# KiCad board LibrePLC32.kicad_pcb (continued)
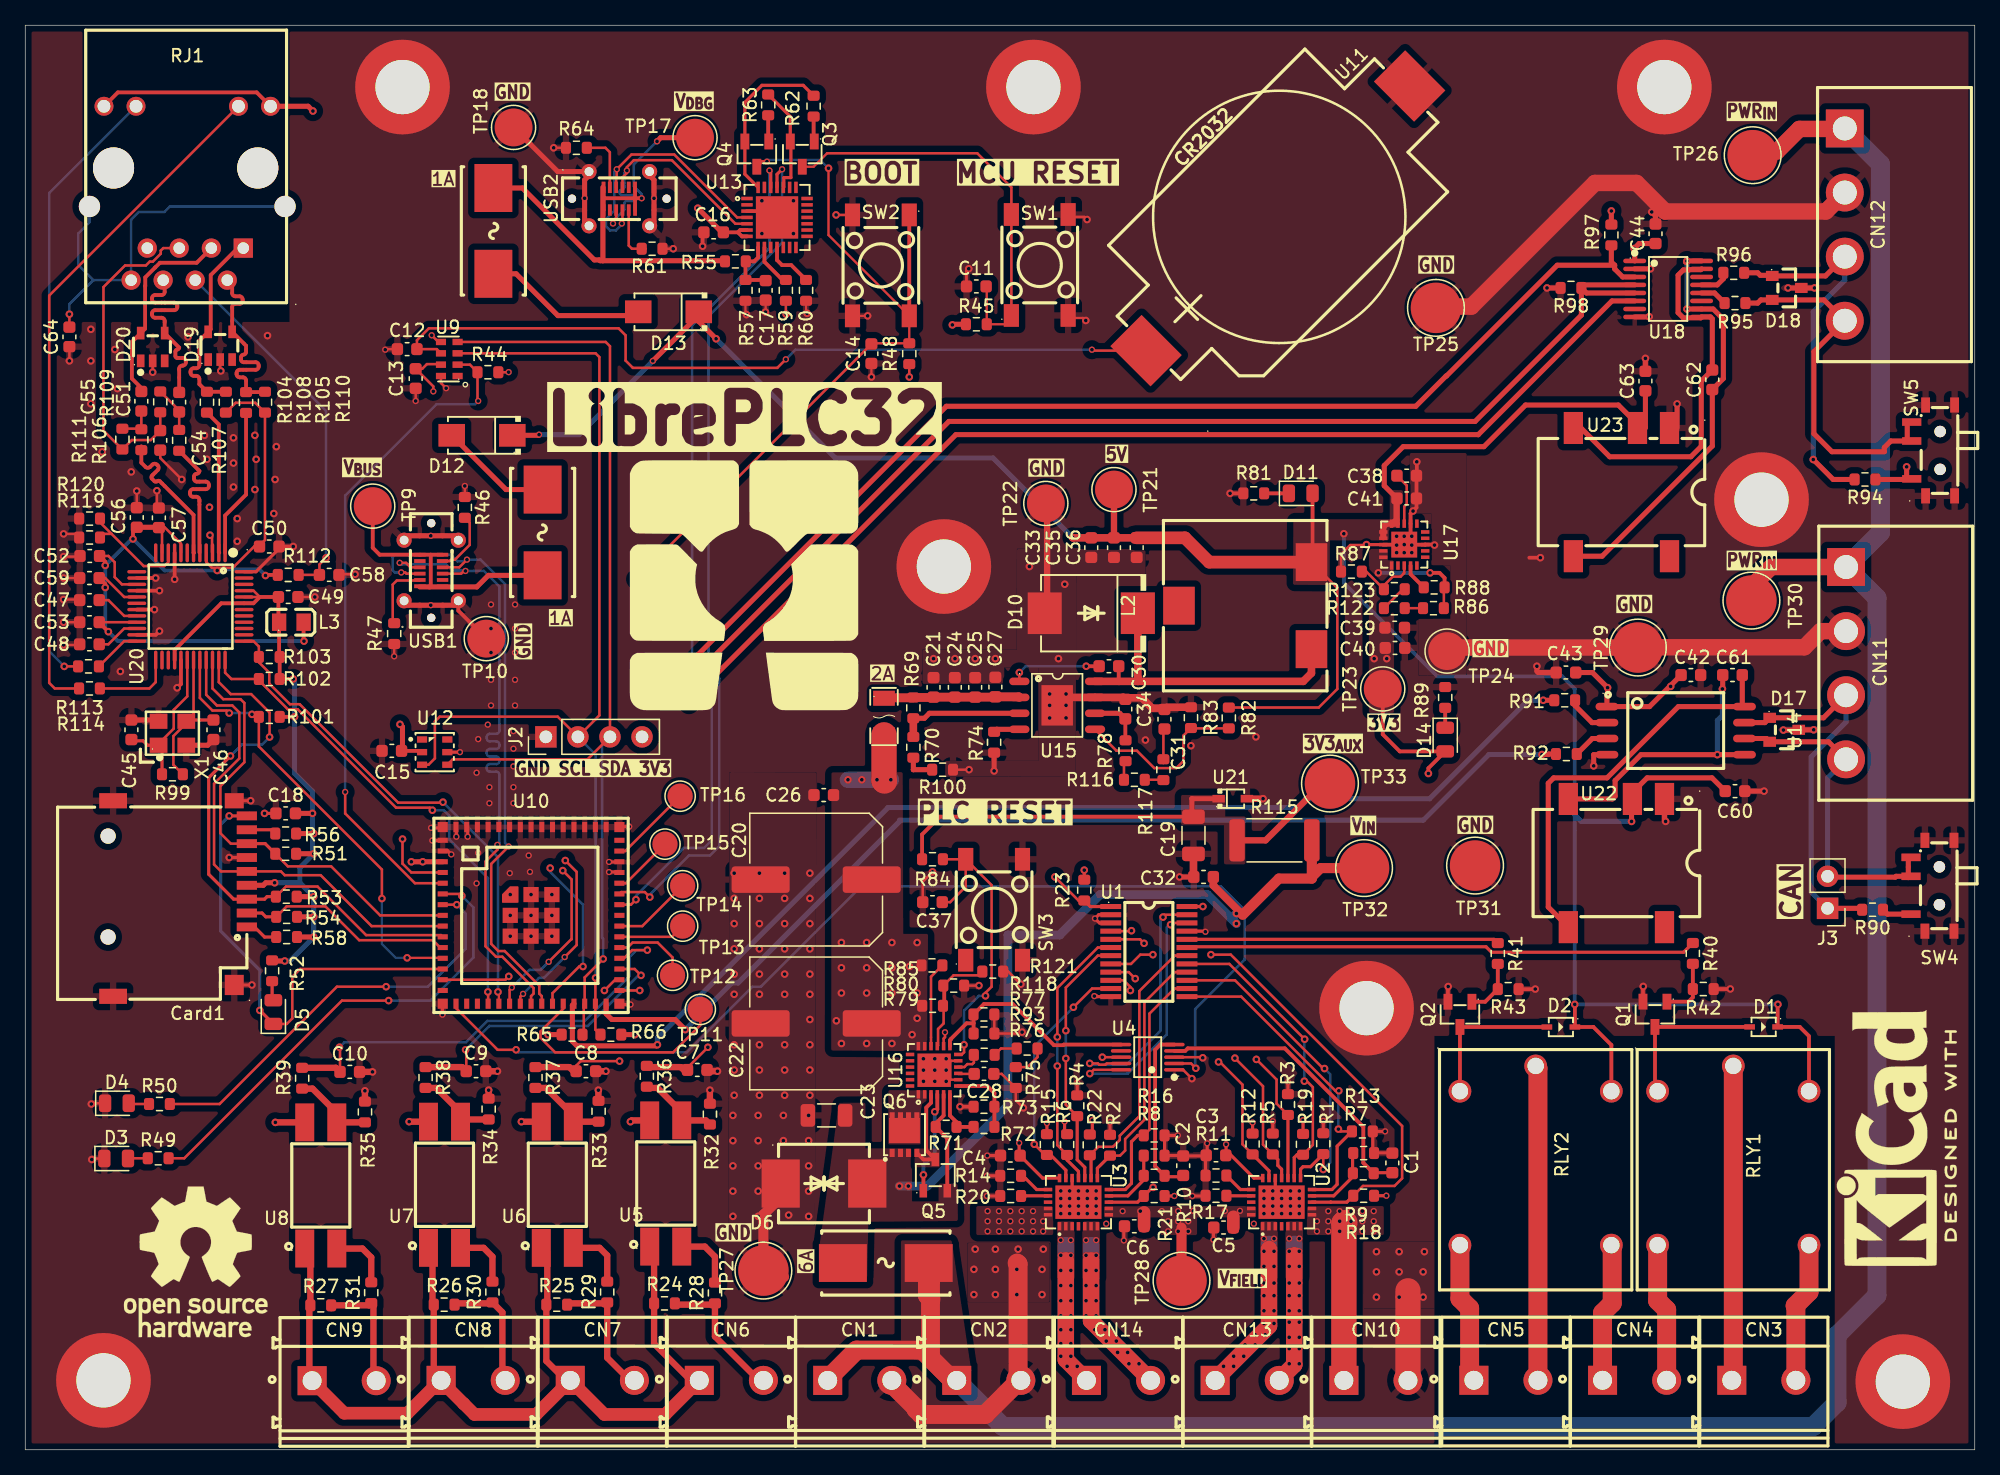
[diagram p0: board, top side]
## Library data of the parts (continued)
U12 = -: Datasheet: https://www.lcsc.com/datasheet/C2757850.pdf; LCSC Part: C2757850; Manufacturer: 广州奥松
U13 = -: Datasheet: https://www.lcsc.com/datasheet/C964632.pdf; LCSC Part: C964632; Manufacturer: SKYWORKS/SILICON LABS(芯科)
U14 = -: Datasheet: https://www.lcsc.com/datasheet/C484409.pdf; LCSC Part: C484409; Manufacturer: TI(德州仪器)
U15 = -: Datasheet: https://www.lcsc.com/datasheet/C1850354.pdf; LCSC Part: C1850354; Manufacturer: TI(德州仪器)
U16 = -: Datasheet: https://www.lcsc.com/datasheet/C52940996.pdf; LCSC Part: C52940996; Manufacturer: Tokmas(托克马斯); MPN: TPS26630RGER(TOKMAS)
U17 = -: Datasheet: https://lcsc.com/product-detail/Low-Dropout-Regulators-LDO_Texas-Instruments-Texas-Instruments-TPS7A5201QRGRRQ1_C523802.html; LCSC Part: C523802; Manufacturer: TI(德州仪器)
U18 = -: Datasheet: https://www.lcsc.com/datasheet/C2671333.pdf; LCSC Part: C2671333; Manufacturer: TI(德州仪器)
U20 = -: Datasheet: https://lcsc.com/product-detail/Ethernet-ICs_WIZNET_W5500_W5500_C32843.html; LCSC Part: C32843; Manufacturer: WIZNET
U21 = -: Datasheet: https://www.lcsc.com/datasheet/C5270765.pdf; LCSC Part: C5270765; Manufacturer: YFW(佑风微)
U22 U23 = -: Datasheet: https://www.lcsc.com/datasheet/C5369529.pdf; LCSC Part: C5369529; Manufacturer: YLPTEC(易川)
USB1 USB2 = -: Datasheet: https://www.lcsc.com/datasheet/C7450621.pdf; LCSC Part: C7450621; Manufacturer: G-Switch(品赞)
X1 = -: Datasheet: https://lcsc.com/product-detail/SMD-Crystals_YSX321SL-25MHZ-18PF-10PPM-40-85_C70593.html; Description: YSX321SL 25MHZ 18PF 10PPM -40~+85; LCSC Part: C70593; Manufacturer: YXC(扬兴晶振)

## Footprints (pads in the part's own frame, mm; a bottom-side part is the same pattern mirrored in y, then rotated)
BAT-SMD_BS-06-B4AA012
  rect 3.5x4.5 smd: 1(-14.8,-0.03) 2(14.8,0.03)
BULETM-SMD_ESPRESSIF_ESP32-S3-MINI-1U-N8
  rect 0.8x0.4 smd: 1(-7,5.95) 2(-7,5.1) 3(-7,4.25) 4(-7,3.4) 5(-7,2.55) 6(-7,1.7) 7(-7,0.85) 8(-7,0) 9(-7,-0.85) 10(-7,-1.7) 11(-7,-2.55) 12(-7,-3.4) 13(-7,-4.25) 14(-7,-5.1) 15(-7,-5.95) 31(7,-5.95) 32(7,-5.1) 33(7,-4.25) 34(7,-3.4) 35(7,-2.55) 36(7,-1.7) 37(7,-0.85) 38(7,0) 39(7,0.85) 40(7,1.7) 41(7,2.55) 42(7,3.4) 43(7,4.25) 44(7,5.1) 45(7,5.95)
  rect 0.4x0.8 smd: 16(-5.95,-7) 17(-5.1,-7) 18(-4.25,-7) 19(-3.4,-7) 20(-2.55,-7) 21(-1.7,-7) 22(-0.85,-7) 23(0,-7) 24(0.85,-7) 25(1.7,-7) 26(2.55,-7) 27(3.4,-7) 28(4.25,-7) 29(5.1,-7) 30(5.95,-7) 46(5.95,7) 47(5.1,7) 48(4.25,7) 49(3.4,7) 50(2.55,7) 51(1.7,7) 52(0.85,7) 53(0,7) 54(-0.85,7) 55(-1.7,7) 56(-2.55,7) 57(-3.4,7) 58(-4.25,7) 59(-5.1,7) 60(-5.95,7)
  custom 1.3x1.3 smd: 61(-1.65,1.65)
  rect 1.2x1.2 smd: 61(-1.65,0) 61(-1.65,-1.65) 61(0,1.65) 61(0,0) 61(0,-1.65) 61(1.65,1.65) 61(1.65,0) 61(1.65,-1.65)
  rect 0.8x0.8 smd: 62(-7,7) 63(-7,-7) 64(7,-7) 65(7,7)
C_0603_1608Metric
  rrect 0.9x0.95 smd: 1(-0.775,0) 2(0.775,0)
C_1206_3216Metric
  rrect 1.15x1.8 smd: 1(-1.475,0) 2(1.475,0)
C_Elec_10x10.2
  rrect 4.6x2.1 smd: 1(-4.4,0) 2(4.4,0)
CONN-TH_2P-P5.08_DIBO_DB128V-5.08
  rect 2.3x2.3 hole 1.5: 1(-2.54,0)
  round 2.3 hole 1.5: 2(2.54,0)
CONN-TH_4P-P5.08_DB2ERC-5.08-4P
  rect 3x3 hole 1.9: 1(7.62,0)
  round 3 hole 1.9: 2(2.54,0) 3(-2.54,0) 4(-7.62,0)
DFN-8_L3.3-W3.3-P0.65-BL-3
  rect 0.4x0.65 smd: 1(-0.98,-1.46) 2(-0.32,-1.46) 3(0.32,-1.46) 4(0.98,-1.46)
  rect 0.4x0.6 smd: 5(0.98,1.46) 6(0.32,1.46) 7(-0.32,1.46) 8(-0.98,1.46)
  rect 2.45x2 smd: 9(0,0.31)
F1206
  rect 1.19x1.728 smd: 1(-1.45,0) 2(1.45,0)
FUSE-SMD_L9.8-W5.0_01550900M
  rect 3.8x3 smd: 1(-3.4,0) 2(3.4,0)
IND-SMD_3P-L13.5-W13.0-P6.9
  rect 3x2.5 smd: 1(-3.45,-5.25) 2(3.45,-5.25) 3(0,5.25)
L0805
  rect 1.133x1.377 smd: 1(-0.97,0) 2(0.97,0)
LED_0805_2012Metric
  rrect 0.975x1.4 smd: 1(-0.938,0) 2(0.938,0)
LQFP-48_L7.0-W7.0-P0.50-LS9.0-BL
  oval 0.27x1.5 smd: 1(-2.75,-4.25) 2(-2.25,-4.25) 3(-1.75,-4.25) 4(-1.25,-4.25) 5(-0.75,-4.25) 6(-0.25,-4.25) 7(0.25,-4.25) 8(0.75,-4.25) 9(1.25,-4.25) 10(1.75,-4.25) 11(2.25,-4.25) 12(2.75,-4.25) 25(2.75,4.25) 26(2.25,4.25) 27(1.75,4.25) 28(1.25,4.25) 29(0.75,4.25) 30(0.25,4.25) 31(-0.25,4.25) 32(-0.75,4.25) 33(-1.25,4.25) 34(-1.75,4.25) 35(-2.25,4.25) 36(-2.75,4.25)
  oval 1.5x0.27 smd: 13(4.25,-2.75) 14(4.25,-2.25) 15(4.25,-1.75) 16(4.25,-1.25) 17(4.25,-0.75) 18(4.25,-0.25) 19(4.25,0.25) 20(4.25,0.75) 21(4.25,1.25) 22(4.25,1.75) 23(4.25,2.25) 24(4.25,2.75) 37(-4.25,2.75) 38(-4.25,2.25) 39(-4.25,1.75) 40(-4.25,1.25) 41(-4.25,0.75) 42(-4.25,0.25) 43(-4.25,-0.25) 44(-4.25,-0.75) 45(-4.25,-1.25) 46(-4.25,-1.75) 47(-4.25,-2.25) 48(-4.25,-2.75)
MountingHole_4.3mm_M4_DIN965_Pad_TopBottom
  round 4.7 hole 4.3: 1(0,0)
  round 7.5 smd: 1(0,0)
  round 7.5 smd far side: 1(0,0)
MSOP-10_L3.0-W3.0-P0.50-LS5.0-BL
  oval 0.28x1.62 smd: 1(-1,-2.11) 2(-0.5,-2.11) 3(0,-2.11) 4(0.5,-2.11) 5(1,-2.11) 6(1,2.11) 7(0.5,2.11) 8(0,2.11) 9(-0.5,2.11) 10(-1,2.11)
OPTO-SMD-4_L4.6-W6.5-P2.54-LS10.3-BL
  rect 1.5x3 smd: 1(-1.27,-5) 2(1.27,-5) 3(1.27,5) 4(-1.27,5)
OSC-SMD_4P-L3.2-W2.5-BL_SIT8008BI
  rect 1.4x1.2 smd: 1(-1.1,-0.95) 2(1.1,-0.95) 3(1.1,0.95) 4(-1.1,0.95)
OSC-SMD_8P-L3.2-W1.5-P0.90-BL
  rect 0.504x0.8 smd: 1(-1.35,-0.66) 2(-0.45,-0.66) 3(0.45,-0.66) 4(1.35,-0.66) 5(1.35,0.66) 6(0.45,0.66) 7(-0.45,0.66) 8(-1.35,0.66)
PinHeader_1x02_P2.54mm_Vertical
  rect 1.7x1.7 hole 1: 1(0,0)
  round 1.7 hole 1: 2(0,-2.54)
PinHeader_1x04_P2.54mm_Vertical
  rect 1.7x1.7 hole 1: 1(0,0)
  round 1.7 hole 1: 2(0,-2.54) 3(0,-5.08) 4(0,-7.62)
POWERPAD-SO-8_L4.9-W3.9-P1.27-LS6.0-BL-EP
  oval 0.6x1.6 smd: 1(-1.9,-3) 2(-0.63,-3) 3(0.63,-3) 4(1.9,-3) 5(1.9,3) 6(0.63,3) 7(-0.63,3) 8(-1.9,3)
  rect 3.2x2.5 smd: 9(0,0)
PWRM-SMD_BXXXXXT-1WR3
  rect 1.524x2.54 smd: 1(-3.81,-5.08) 2(-1.27,-5.08) 4(3.81,-5.08) 5(3.81,5.08) 8(-3.81,5.08)
QFN-28_L5.0-W5.0-P0.50-TL-EP3.3
  rect 0.905x0.28 smd: 1(-2.38,1.5) 2(-2.38,1) 3(-2.38,0.5) 4(-2.38,0) 5(-2.38,-0.5) 6(-2.38,-1) 7(-2.38,-1.5) 15(2.38,-1.5) 16(2.38,-1) 17(2.38,-0.5) 18(2.38,0) 19(2.38,0.5) 20(2.38,1) 21(2.38,1.5)
  rect 0.28x0.905 smd: 8(-1.5,-2.38) 9(-1,-2.38) 10(-0.5,-2.38) 11(0,-2.38) 12(0.5,-2.38) 13(1,-2.38) 14(1.5,-2.38) 22(1.5,2.38) 23(1,2.38) 24(0.5,2.38) 25(0,2.38) 26(-0.5,2.38) 27(-1,2.38) 28(-1.5,2.38)
  rect 3.35x3.35 smd: 29(0,0)
R_0603_1608Metric
  rrect 0.8x0.95 smd: 1(-0.825,0) 2(0.825,0)
R_2512_6332Metric
  rrect 1.225x3.35 smd: 1(-2.962,0) 2(2.962,0)
RELAY-TH_HF3FF-018-1ZT
  round 1.8 hole 1.3: 1(-5.1,-6) 2(7.1,-6) 3(7.1,6) 4(-5.1,6) 5(-7.1,0)
RJ45-TH_HR913129A
  round 3.25 hole 3.25: (-5.84,2) (5.59,2)
  rect 1.524x1.524 hole 0.914: 1(4.44,-4.35)
  round 1.524 hole 0.914: 2(3.17,-6.89) 3(1.91,-4.35) 4(0.63,-6.89) 5(-0.64,-4.35) 6(-1.91,-6.89) 7(-3.17,-4.35) 8(-4.45,-6.89)
  round 1.499 hole 1.016: 9(6.6,6.89) 10(4.06,6.89) 11(-4.06,6.89) 12(-6.6,6.89)
  round 1.702 hole 1.676: 13(7.75,-1.05) 14(-7.75,-1.05)
SENSOR-SMD_L3.0-W3.0-P1.00-BR
  rect 0.8x0.5 smd: 1(1,-1) 2(1,0) 3(1,1) 4(-1,1) 5(-1,0) 6(-1,-1)
SMA_L4.3-W2.7-LS5.1-RD
  rect 2.1x1.8 smd: 1(-2.4,0) 2(2.4,0)
SMC_L6.9-W5.9-LS7.9-BI
  rect 3.03x3.82 smd: 1(-3.43,0) 2(3.43,0)
SMC_L6.9-W5.9-LS7.9-RD
  rect 2.7x3.3 smd: 1(-3.69,0) 2(3.69,0)
SOD-323_L1.7-W1.3-LS2.5-RD-1
  rect 0.985x0.6 smd: 1(-1.12,0) 2(1.12,0)
SOD-323_L1.8-W1.3-LS2.7-RD
  rect 0.845x0.42 smd: 1(-1.11,0) 2(1.11,0)
SOIC-8_L5.9-W7.5-P1.27-LS11.5-BL
  oval 0.6x1.8 smd: 1(-1.9,-5.45) 2(-0.63,-5.45) 3(0.63,-5.45) 4(1.91,-5.45) 5(1.91,5.45) 6(0.63,5.45) 7(-0.63,5.45) 8(-1.9,5.45)
SOT-23-3_L2.9-W1.3-P1.90-LS2.4-BR
  rect 1.25x0.7 smd: 1(1,-0.95) 2(1,0.95) 3(-1,0)
SOT-23-3_L2.9-W1.6-P1.90-LS2.8-BR
  rect 1.07x0.6 smd: 1(1.24,-0.95) 2(1.24,0.95) 3(-1.24,0)
SOT-23-5_L2.9-W1.6-P0.95-LS2.8-BR
  rect 1x0.6 smd: 1(1.1,-0.95) 2(1.1,0) 3(1.1,0.95) 4(-1.1,0.95) 5(-1.1,-0.95)
SOT-23_L2.9-W1.3-P1.90-LS2.4-BR
  rect 1x0.8 smd: 1(1.15,-0.95) 2(1.15,0.95) 3(-1.15,0)
SSOP-16_L4.9-W3.9-P0.64-LS6.0-BL
  oval 0.356x1.815 smd: 1(-2.22,-2.65) 2(-1.59,-2.65) 3(-0.95,-2.65) 4(-0.32,-2.65) 5(0.32,-2.65) 6(0.95,-2.65) 7(1.59,-2.65) 8(2.22,-2.65) 9(2.22,2.65) 10(1.59,2.65) 11(0.95,2.65) 12(0.32,2.65) 13(-0.32,2.65) 14(-0.95,2.65) 15(-1.59,2.65) 16(-2.22,2.65)
SW-SMD_4P-L6.0-W6.0-P4.50-LS8.6
  rect 1.8x1.2 smd: 1(-4,2.25) 2(4,2.25) 3(-4,-2.25) 4(4,-2.25)
SW-TH_MSK12C02
  round 0.9 hole 0.9: (-1.5,-0.55) (1.5,-0.55)
  rect 0.6x1.524 smd: 1(-2.25,1.7) 2(0.75,1.7) 3(2.25,1.7)
  rect 1.2x0.7 smd: 4(-3.6,0.6) 4(-3.6,-1.7) 4(3.6,0.6) 4(3.6,-1.7)
TestPoint_Pad_D2.0mm
  round 2 smd: 1(0,0)
TestPoint_Pad_D3.0mm
  round 3 smd: 1(0,0)
TestPoint_Pad_D4.0mm
  round 4 smd: 1(0,0)
TF-SMD_TF-PUSH
  round 1.2 hole 1.2: (-4.95,-5.7) (3.05,-5.7)
  rect 0.7x1.6 smd: 1(2.25,5.3) 2(1.15,5.3) 3(0.05,5.3) 4(-1.05,5.3) 5(-2.15,5.3) 6(-3.25,5.3) 7(-4.35,5.3) 8(-5.45,5.3) CD(-6.55,5.3)
  rect 1.2x1.5 smd: 10(-7.75,4.3)
  rect 1.2x2.2 smd: 11(-7.75,-5.3) 12(7.75,-5.3)
  rect 1.6x1.5 smd: 13(6.85,4.3)
TQFN-24_L4.0-W4.0-P0.50-TL-EP
  rect 0.665x0.28 smd: 1(-1.91,1.25) 2(-1.91,0.75) 3(-1.91,0.25) 4(-1.91,-0.25) 5(-1.91,-0.75) 6(-1.91,-1.25) 13(1.91,-1.25) 14(1.91,-0.75) 15(1.91,-0.25) 16(1.91,0.25) 17(1.91,0.75) 18(1.91,1.25)
  rect 0.28x0.665 smd: 7(-1.25,-1.91) 8(-0.75,-1.91) 9(-0.25,-1.91) 10(0.25,-1.91) 11(0.75,-1.91) 12(1.25,-1.91) 19(1.25,1.91) 20(0.75,1.91) 21(0.25,1.91) 22(-0.25,1.91) 23(-0.75,1.91) 24(-1.25,1.91)
  rect 2.65x2.65 smd: 25(0,0)
TSSOP-24_L7.8-W4.4-P0.65-LS6.4-BL
  rect 0.4x1.65 smd: 1(-3.57,-3.02) 2(-2.92,-3.02) 3(-2.27,-3.02) 4(-1.62,-3.02) 5(-0.97,-3.02) 6(-0.32,-3.02) 7(0.32,-3.02) 8(0.98,-3.02) 9(1.63,-3.02) 10(2.28,-3.02) 11(2.93,-3.02) 12(3.57,-3.02) 13(3.57,3.02) 14(2.93,3.02) 15(2.28,3.02) 16(1.63,3.02) 17(0.98,3.02) 18(0.32,3.02) 19(-0.32,3.02) 20(-0.97,3.02) 21(-1.62,3.02) 22(-2.27,3.02) 23(-2.92,3.02) 24(-3.57,3.02)
USB-C-TH_GT-USB-7055BB
  round 0.65 hole 0.65: (-3.75,0) (3.75,0)
  round 1.2 hole 0.7: 17(-2.4,2.15) 17(-2.4,-2.15) 17(2.4,2.15) 17(2.4,-2.15)
  rect 0.35x0.9 smd: A1(-2.75,0.9) A12(2.75,0.9) B1(2.75,-0.9) B12(-2.75,-0.9)
  rect 0.3x0.9 smd: A4(-1.25,0.9) A5(-0.75,0.9) A6(-0.25,0.9) A7(0.25,0.9) A8(0.75,0.9) A9(1.25,0.9) B4(1.25,-0.9) B5(0.75,-0.9) B6(0.25,-0.9) B7(-0.25,-0.9) B8(-0.75,-0.9) B9(-1.25,-0.9)
USB-C-TH_GT-USB-7055BB#2
  round 0.65 hole 0.65: (-3.75,0) (3.75,0)
  round 1.2 hole 0.7: 17(-2.4,2.15) 17(-2.4,-2.15) 17(2.4,2.15) 17(2.4,-2.15)
  rect 0.35x0.9 smd: A1(-2.75,0.9) A12(2.75,0.9) B1(2.75,-0.9) B12(-2.75,-0.9)
  rect 0.3x0.9 smd: A4(-1.25,0.9) A5(-0.75,0.9) A6(-0.25,0.9) A7(0.25,0.9) A8(0.75,0.9) A9(1.25,0.9) B4(1.25,-0.9) B5(0.75,-0.9) B6(0.25,-0.9) B7(-0.25,-0.9) B8(-0.75,-0.9) B9(-1.25,-0.9)
VQFN-20_L3.5-W3.5-P0.50-TL-EP
  rect 0.665x0.28 smd: 1(-1.66,1) 2(-1.66,0.5) 3(-1.66,0) 4(-1.66,-0.5) 5(-1.66,-1) 11(1.66,-1) 12(1.66,-0.5) 13(1.66,0) 14(1.66,0.5) 15(1.66,1)
  rect 0.28x0.665 smd: 6(-1,-1.66) 7(-0.5,-1.66) 8(0,-1.66) 9(0.5,-1.66) 10(1,-1.66) 16(1,1.66) 17(0.5,1.66) 18(0,1.66) 19(-0.5,1.66) 20(-1,1.66)
  rect 2.05x2.05 smd: 21(0,0)
VQFN-24_L5.0-W4.0-P0.50-BL-EP-1
  rect 0.28x0.665 smd: 1(-1.5,-1.91) 2(-1,-1.91) 3(-0.5,-1.91) 4(0,-1.91) 5(0.5,-1.91) 6(1,-1.91) 7(1.5,-1.91) 13(1.5,1.91) 14(1,1.91) 15(0.5,1.91) 16(0,1.91) 17(-0.5,1.91) 18(-1,1.91) 19(-1.5,1.91)
  rect 0.665x0.28 smd: 8(2.41,-1) 9(2.41,-0.5) 10(2.41,0) 11(2.41,0.5) 12(2.41,1) 20(-2.41,1) 21(-2.41,0.5) 22(-2.41,0) 23(-2.41,-0.5) 24(-2.41,-1)
  rect 3.65x2.65 smd: 25(0,0)

## Nets
+3V3: C3.1 C4.1 C13.2 C15.1 C16.2 C18.2 C39.2 C40.2 C42.1 C43.1 C44.1 C49.1 Card1.4 D14.2 J2.4 L3.1 R12.1 R15.1 R18.1 R19.1 R21.1 R22.1 R23.1 R44.2 R45.1 R48.1 R51.2 R52.2 R53.2 R54.2 R56.2 R58.2 R59.1 R65.1 R66.1 R86.1 R88.2 R97.1 R101.1 R102.1 R103.1 RJ1.9 RJ1.12 TP23.1 U1.24 U2.19 U3.19 U4.8 U5.4 U6.4 U7.4 U8.4 U9.7 U10.3 U12.2 U13.6 U13.7 U14.1 U17.1 U17.19 U17.20 U18.1 U20.28 U20.43 U20.44 U20.45
+3V3_AUX: C19.1 R84.1 R115.1 TP33.1 U21.1
+3V3A: C50.1 C52.1 C53.1 C56.1 C57.1 C59.1 L3.2 R108.2 R110.2 R112.1 U20.4 U20.8 U20.11 U20.15 U20.17 U20.21
+5V: C33.2 C35.2 C36.2 C41.2 C60.1 C63.1 D1.1 D2.1 D11.2 D12.1 D13.1 L2.2 R82.1 RLY1.4 RLY2.4 TP21.1 U17.14 U17.15 U17.16 U17.17 U22.2 U23.2
GND: C1.2 C2.2 C3.2 C4.2 C5.2 C6.2 C7.2 C8.2 C9.2 C10.2 C11.1 C12.1 C13.1 C14.1 C15.2 C16.1 C17.2 C18.1 C19.2 C20.2 C21.2 C22.2 C23.1 C24.2 C25.2 C26.1 C27.2 C28.1 C31.1 C32.1 C33.1 C34.1 C35.1 C36.1 C37.1 C38.1 C39.1 C40.1 C41.1 C42.2 C43.2 C44.2 C45.1 C46.2 C47.2 C48.2 C49.2 C50.2 C52.2 C53.2 C54.2 C56.2 C57.2 C58.2 C59.2 C60.2 C63.2 C64.1 Card1.6 Card1.10 Card1.11 Card1.12 Card1.13 CN1.2 CN2.2 CN10.2 CN11.2 CN12.2 D3.1 D4.1 D6.1 D10.2 D17.3 D18.3 D19.2 D20.2 H1.1 H2.1 H3.1 H4.1 H5.1 H6.1 H7.1 H8.1 J2.1 Q1.2 Q2.2 R1.2 R2.2 R3.2 R4.2 R5.2 R6.2 R7.2 R8.2 R11.2 R13.2 R14.2 R16.2 R17.2 R20.2 R32.1 R33.1 R34.1 R35.1 R42.1 R43.1 R46.1 R47.2 R57.1 R60.1 R61.1 R64.2 R73.2 R74.2 R75.2 R77.2 R80.2 R81.2 R83.2 R87.2 R89.2 R98.2 R100.2 R118.2 R119.2 R120.2 R121.2 SW1.3 SW1.4 SW2.3 SW2.4 SW3.3 SW3.4 SW4.4 SW5.4 TP10.1 TP18.1 TP22.1 TP24.1 TP25.1 TP27.1 TP29.1 TP31.1 U1.2 U1.3 U1.12 U1.21 U2.17 U2.25 U3.17 U3.25 U4.1 U4.3 U9.5 U9.8 U10.1 U10.2 U10.42 U10.43 U10.46 U10.47 U10.48 U10.49 U10.50 U10.51 U10.52 U10.53 U10.54 U10.55 U10.56 U10.57 U10.58 U10.59 U10.60 U10.61 U10.62 U10.63 U10.64 U10.65 U11.2 U12.5 U13.3 U13.29 U14.4 U15.7 U15.9 U16.8 U16.11 U16.14 U16.25 U17.8 U17.12 U17.18 U17.21 U18.2 U18.8 U20.3 U20.9 U20.14 U20.16 U20.19 U20.23 U20.29 U20.48 U21.2 U22.1 U23.1 USB1.17 USB1.A1 USB1.A12 USB1.B1 USB1.B12 USB2.17 USB2.A1 USB2.A12 USB2.B1 USB2.B12 X1.2 X1.4
Vbat: C12.2 U9.6 U11.1
VBUS: FH2.2 TP9.1 USB1.A4 USB1.A9 USB1.B4 USB1.B9
/CAN/CAN_H: CN11.3 D17.1 J3.1 R90.2 U14.7
/CAN/CAN_L: CN11.4 D17.2 J3.2 SW4.2 SW4.3 U14.6
/CAN/CAN_RX: R92.2 U10.30
/CAN/CAN_TX: R91.2 U10.27
/Ethernet/ETH_1V2: C48.1 U20.22
/Ethernet/ETH_EXPRES: R119.1 R120.1 U20.10
/Ethernet/ETH_LED_G: R114.2 U20.25
/Ethernet/ETH_LED_Y: R113.2 U20.24
/Ethernet/ETH_RX+: R106.1 U20.6
/Ethernet/ETH_RX-: R107.1 U20.5
/Ethernet/ETH_TOCAP: C47.1 U20.20
/Ethernet/ETH_TX+: R104.1 U20.2
/Ethernet/ETH_TX-: R105.1 U20.1
/Ethernet/ETH_XI: C45.2 R99.1 U20.30 X1.1
/Ethernet/ETH_XO: C46.1 R99.2 U20.31 X1.3
/Ethernet/RJ45_RCT: C54.1 R109.1 R111.1 RJ1.5
/Ethernet/RJ45_RX+: C55.2 D20.5 RJ1.3
/Ethernet/RJ45_RX-: C51.2 D20.4 RJ1.6
/Ethernet/RJ45_TCT: C58.1 R112.2 RJ1.4
/Ethernet/RJ45_TX+: D19.5 R104.2 R108.1 RJ1.1
/Ethernet/RJ45_TX-: D19.4 R105.2 R110.1 RJ1.2
/Ethernet/RXN: C51.1 R107.2 R109.2
/Ethernet/RXP: C55.1 R106.2 R111.2
/Ethernet/SPI_MISO: Card1.7 R51.1 U10.8 U20.34
/Ethernet/SPI_MOSI: Card1.3 R53.1 U10.10 U20.35
/Ethernet/SPI_SCLK: Card1.5 U10.9 U20.33
/Ethernet/~{ETH_CS}: R101.2 U10.12 U20.32
/Ethernet/~{ETH_INT}: R102.2 U10.19 U20.36
/Ethernet/~{ETH_RST}: R103.2 U10.20 U20.37
/MCU/ADC_RDY: U4.2 U10.16
/MCU/I2C_SCL: J2.2 R66.2 U1.22 U4.10 U9.3 U10.29 U12.3
/MCU/I2C_SDA: J2.3 R65.2 U1.23 U4.9 U9.4 U10.28 U12.4
/MCU/MCU_DI1: C7.1 R36.1 U10.31
/MCU/MCU_DI2: C8.1 R37.1 U10.32
/MCU/MCU_DI3: C9.1 R38.1 U10.33
/MCU/MCU_DI4: C10.1 R39.1 U10.34
/MCU/MCU_USB_D+: U10.24 USB1.A6 USB1.B6
/MCU/MCU_USB_D-: U10.23 USB1.A7 USB1.B7
/MCU/S_LED0: R49.2 U10.6
/MCU/S_LED1: R50.2 U10.7
/MCU/SD_CD: Card1.CD D5.1 U10.13
/MCU/SD_DAT1: Card1.8 R56.1
/MCU/SD_DAT2: Card1.1 R58.1
/MCU/UART_DTR: Q4.2 R62.2 U13.28
/MCU/UART_RTS: Q3.2 R63.2 U13.24
/MCU/UART_RX: U10.40 U13.25
/MCU/UART_TX: U10.39 U13.26
/MCU/USB_D+: U13.4 USB2.A6 USB2.B6
/MCU/USB_D-: U13.5 USB2.A7 USB2.B7
/MCU/~{MCU_BOOT}: C14.2 Q4.3 R48.2 SW2.1 SW2.2 U10.4
/MCU/~{MCU_RST}: C11.2 Q3.3 R45.2 SW1.1 SW1.2
/MCU/~{RTC_INT}: R44.1 U9.2 U10.5
/MCU/~{SD_CS}: Card1.2 R54.1 U10.11
/Power/FB: R82.2 R83.1 U15.5
/Power/MAIN_FB: R87.1 R123.2 U17.3
/Power/MAIN_PG: R88.1 U17.4
/Power/PPIC_BGATE: Q5.3 Q6.4 U16.3
/Power/PPIC_DRV: Q5.1 U16.4
/Power/PPIC_dVdT: C28.2 U16.9
/Power/PPIC_ILIM: R93.1 U16.10
/Power/PPIC_IMON: R77.1 R118.1 U4.6 U16.13
/Power/PPIC_IN: Q6.5 Q6.6 Q6.7 Q6.8 Q6.9 U16.1 U16.2
/Power/PPIC_OVP: R72.2 R73.1 U16.7
/Power/PPIC_PGOOD: R85.2 U16.16
/Power/PPIC_PGTH: R79.2 R80.1 R121.1 U16.15
/Power/PPIC_UVLO: R71.2 R72.1 U16.6
/Power/V_IN_MAIN: C23.2 C32.2 D6.2 FH1.2 Q5.2 Q6.1 Q6.2 Q6.3 R71.1 R115.2 TP32.1 U16.5
/Power/~{PPIC_SHDN}: C37.2 R84.2 SW3.2 U16.12
/RS-485/EXT_RS485_A: CN12.4 D18.2 R95.1 SW5.2 SW5.3
/RS-485/EXT_RS485_B: CN12.3 D18.1 R94.2 R96.1
/RS-485/RS485_DIR: R98.1 U10.25 U18.4 U18.5
/RS-485/RS485_RXD: R97.2 U10.21 U18.3
/RS-485/RS485_TXD: U10.22 U18.6
/Terminal Blocks Interface/DI1: CN6.2 R24.1 R28.1
/Terminal Blocks Interface/DI2: CN7.2 R25.1 R29.1
/Terminal Blocks Interface/DI3: CN8.2 R26.1 R30.1
/Terminal Blocks Interface/DI4: CN9.2 R27.1 R31.1
/Terminal Blocks Interface/DI_COM: CN6.1 CN7.1 CN8.1 CN9.1 R24.2 R25.2 R26.2 R27.2 U5.1 U6.1 U7.1 U8.1
/Terminal Blocks Interface/MOS_IN1: R40.1 U1.19
/Terminal Blocks Interface/MOS_IN2: R41.1 U1.20
/Terminal Blocks Interface/REL_DRV1: D1.2 Q1.3 RLY1.1
/Terminal Blocks Interface/REL_DRV2: D2.2 Q2.3 RLY2.1
/Terminal Blocks Interface/RLY1_NC: CN3.2 RLY1.3
/Terminal Blocks Interface/RLY1_NO: CN4.2 RLY1.2
/Terminal Blocks Interface/RLY2_NC: CN4.1 RLY2.3
/Terminal Blocks Interface/RLY2_NO: CN5.1 RLY2.2
/Terminal Blocks Interface/T1_ADC: C1.1 R9.2 U4.4
/Terminal Blocks Interface/T1_DIA: R13.1 U1.13 U2.12
/Terminal Blocks Interface/T1_EN1: R5.1 U1.4 U2.16
/Terminal Blocks Interface/T1_EN2: R3.1 U1.5 U2.15
/Terminal Blocks Interface/T1_FLT1: R18.2 U1.8 U2.10
/Terminal Blocks Interface/T1_FLT2: R12.2 U1.9 U2.18
/Terminal Blocks Interface/T1_ILIM1: R17.1 U2.21
/Terminal Blocks Interface/T1_ILIM2: R11.1 U2.20
/Terminal Blocks Interface/T1_LATCH: R19.2 U1.17 U2.14
/Terminal Blocks Interface/T1_OUT1: CN13.1 U2.1 U2.2 U2.3
/Terminal Blocks Interface/T1_OUT2: CN13.2 U2.5 U2.6 U2.7
/Terminal Blocks Interface/T1_SEL: R1.1 U1.15 U2.13
/Terminal Blocks Interface/T1_SNS: R7.1 R9.1 U2.11
/Terminal Blocks Interface/T2_ADC: C2.1 R10.2 U4.5
/Terminal Blocks Interface/T2_DIA: R16.1 U1.14 U3.12
/Terminal Blocks Interface/T2_EN1: R6.1 U1.6 U3.16
/Terminal Blocks Interface/T2_EN2: R4.1 U1.7 U3.15
/Terminal Blocks Interface/T2_FLT1: R21.2 U1.10 U3.10
/Terminal Blocks Interface/T2_FLT2: R15.2 U1.11 U3.18
/Terminal Blocks Interface/T2_ILIM1: R20.1 U3.21
/Terminal Blocks Interface/T2_ILIM2: R14.1 U3.20
/Terminal Blocks Interface/T2_LATCH: R22.2 U1.18 U3.14
/Terminal Blocks Interface/T2_OUT1: CN14.1 U3.1 U3.2 U3.3
/Terminal Blocks Interface/T2_OUT2: CN14.2 U3.5 U3.6 U3.7
/Terminal Blocks Interface/T2_SEL: R2.1 U1.16 U3.13
/Terminal Blocks Interface/T2_SNS: R8.1 R10.1 U3.11
/Terminal Blocks Interface/~{GPIO_MUX_INT}: R23.2 U1.1 U10.14
Earth: C64.2 RJ1.8 RJ1.13 RJ1.14
ISO_CAN+: C61.1 U14.8 U22.5
ISO_CAN-: C61.2 U14.5 U22.4
ISO_RS485+: C62.1 U18.10 U18.16 U23.5
ISO_RS485-: C62.2 U18.9 U18.15 U23.4
PWR_CAN: CN1.1 CN2.1 CN11.1 CN12.1 FH1.1 TP26.1 TP30.1
V_FIELD: C5.1 C6.1 C20.1 C22.1 C26.2 CN10.1 F2.2 R79.1 R85.1 TP28.1 U2.8 U2.9 U2.23 U2.24 U3.8 U3.9 U3.23 U3.24 U16.17 U16.18
VDBG: FH3.2 R55.1 TP17.1 USB2.A4 USB2.A9 USB2.B4 USB2.B9
Net-(C31-Pad2): C31.2 R117.2
Net-(CN3-Pad1): CN3.1 RLY1.5
Net-(CN5-Pad2): CN5.2 RLY2.5
Net-(D3-A): D3.2 R49.1
Net-(D4-A): D4.2 R50.1
Net-(D5-A): D5.2 R52.1
Net-(D10-K): C30.2 D10.1 L2.1 U15.8
Net-(D11-K): D11.1 R81.1
Net-(D12-A): D12.2 FH2.1
Net-(D13-A): D13.2 FH3.1
Net-(D14-K): D14.1 R89.1
Net-(Q1-G): Q1.1 R40.2 R42.2
Net-(Q2-G): Q2.1 R41.2 R43.2
Net-(Q3-B): Q3.1 R62.1
Net-(Q4-B): Q4.1 R63.1
Net-(R28-Pad2): R28.2 U5.2
Net-(R29-Pad2): R29.2 U6.2
Net-(R30-Pad2): R30.2 U7.2
Net-(R31-Pad2): R31.2 U8.2
Net-(R32-Pad2): R32.2 R36.2 U5.3
Net-(R33-Pad2): R33.2 R37.2 U6.3
Net-(R34-Pad2): R34.2 R38.2 U7.3
Net-(R35-Pad2): R35.2 R39.2 U8.3
Net-(R75-Pad1): R75.1 R76.2
Net-(R76-Pad1): R76.1 R93.2
Net-(R90-Pad1): R90.1 SW4.1
Net-(R94-Pad1): R94.1 SW5.1
Net-(R100-Pad1): R70.2 R100.1
Net-(R116-Pad1): R78.2 R116.1
Net-(R116-Pad2): R116.2 R117.1
Net-(R122-Pad1): R86.2 R122.1
Net-(R122-Pad2): R122.2 R123.1
Net-(RJ1-LED(G)_K): R114.1 RJ1.10
Net-(RJ1-LED(Y)_K): R113.1 RJ1.11
Net-(U10-IO26): TP11.1 U10.26
Net-(U10-IO39): TP12.1 U10.35
Net-(U10-IO40): TP13.1 U10.36
Net-(U10-IO41): TP14.1 U10.37
Net-(U10-IO45): TP15.1 U10.41
Net-(U10-IO46): TP16.1 U10.44
Net-(U13-RSTb): R59.2 U13.9
Net-(U13-SUSPENDb): R60.2 U13.11
Net-(U13-VBUS): C17.1 R55.2 R57.2 U13.8
Net-(U14-RXD): R92.1 U14.3
Net-(U14-TXD): R91.1 U14.2
Net-(U15-BOOT): C30.1 U15.1
Net-(U15-COMP): C34.2 R78.1 U15.6
Net-(U15-EN): R69.2 R70.1 U15.3
Net-(U15-RT/CLK): R74.1 U15.4
Net-(U15-VIN): C21.1 C24.1 C25.1 C27.1 F2.1 R69.1 U15.2
Net-(U17-NR/SS): C38.2 U17.13
Net-(U18-A): R95.2 U18.12
Net-(U18-B): R96.2 U18.13
Net-(USB1-CC1): R47.1 USB1.A5
Net-(USB1-CC2): R46.2 USB1.B5
Net-(USB2-CC1): R64.1 USB2.A5
Net-(USB2-CC2): R61.2 USB2.B5

Pads without a net: D19 1 3; D20 1 3; L2 3; RJ1 7; SW3 1; U2 4 22; U3 4 22; U4 7; U9 1; U10 15 17 18 38 45; U12 1 6; U13 1 2 10 12 13 14 15 16 17 18 19 20 21 22 23 27; U16 19 20 21 22 23 24; U17 2 5 6 7 9 10 11; U18 7 11 14; U20 7 12 13 18 26 27 38 39 40 41 42 46 47; U22 8; U23 8; USB1 A8 B8; USB2 A8 B8

## Via types
v1: diameter 0.6, hole 0.3, Top to Bottom, 380 vias
v2: diameter 0.5, hole 0.3, Top to Bottom, 284 vias

## Routing (per net, layer and track width the routed paths; a pad name or vN(x,y) marks a point on that pad's centre or on a via; arc(x,y) is an arc through that point)
+3V3: length 160.9
  Top w0.2: U9.7 32.9,86.04 31.83,86.04 31.46,85.67 C13.2 32.34,84.28 v2(32.34,83.88) ; R59.1 60.28,90.02 v1(60.3,90) ; R44.2 38.3,85.4 v2(38.31,85.41) ; v1(70.06,85.02) R48.1 ; U4.8 v1(85.36,31.11) ; R88.2 112.43,68.29 R86.1 ; U20.44 18.59,67.59 18.09,68.09 U20.45
  Top w0.25: R23.1 v1(83.93,45.94) 83.93,45.95 ; v2(95.17,24.21) 95.17,23.33 ; U2.19 97.37,21.53 95.47,23.43 95.22,23.43 ; v2(84.57,26.11) 84.57,25.19 R22.1 ; v2(97.27,25.93) R12.1 ; U1.24 v1(93.33,43.05) ; v2(78.77,24.31) 78.77,23.39 C4.1 80.62,21.53 U3.19 ; R21.1 v2(91.07,20.11) ; v2(80.97,25.89) R15.1 ; v2(107.87,20.13) 106.99,20.13 ; v2(101.27,26.11) 101.27,25.06
  Top w0.3: U12.2 31.35,55.39 29.82,55.39 ; 56.48,96.49 56.8,96.17 U13.7 ; 56.48,96.49 C16.2 55.33,96.59 ; 56.48,96.49 56.66,96.67 U13.6 ; v1(21.24,61.09) R102.1 R103.1 20.12,62.88 L3.1 20.06,65.64 C49.1 18.59,67.59 18.09,67.09 U20.43 15.54,67.09 11.84,63.39 U20.28 ; RJ1.9 18.34,107.58 7.34,107.58 RJ1.12 ; v1(111.2,53.6) 111.2,54.02 D14.2 108.93,55.35 107.58,56.7 TP23.1 ; v1(111.33,69.5) 112.08,69.5 112.48,69.1 R88.2 ; v1(21.34,58.09) 20.26,58.09
  Top w0.4: v1(19.76,44.94) 19.06,44.94 18.86,44.74 Card1.4 ; v1(73.47,89.15) 73.53,89.2 R45.1 ; v1(125.7,98.18) R97.1 ; U18.1 127.55,95.15 v1(127.5,95.2) 127.9,95.6 C44.1 ; v1(22.8,106.1) 22.42,106.48 RJ1.9 ; v1(41.44,32.9) 42.39,32.9 ; v1(53.3,98.4) 55.21,96.49 C16.2 ; v1(30.6,46.6) 31.5,46.6 v1(31.5,46.6) U10.3 ; C42.1 128.72,58.9 U14.1 125.35,59.75 125.4,59.8 v1(125.4,60.4) 124.2,61.6 C43.1 ; v1(22.86,40.64) R58.2 ; v1(29.7,57.49) 29.9,57.29 29.9,55.46 29.82,55.39 ; v1(22.86,47.24) 21.54,47.24 ; v1(20.56,38.74) 19.61,38.74 R52.2 ; v1(22.86,48.84) 21.54,48.84 ; v1(22.86,42.24) R54.2 ; v1(48.31,32.9) 47.36,32.9 ; v1(22.86,43.84) 21.54,43.84 ; v1(22.76,50.44) 21.44,50.44
  Top w0.5: v1(47.96,26) 48.06,26.1 U5.4 ; U7.4 v1(30.43,26) ; U6.4 v1(39.32,26) ; U8.4 v1(19.82,25.95)
  In2.Cu w0.3: 21.34,60.99 v1(21.24,61.09)
  Bottom w0.3: v1(111.33,69.5) v1(107.23,69.5)
  Bottom w0.4: 21.76,44.94 21.76,46.14 v1(22.86,47.24) 22.76,47.34 v1(22.76,50.44) 22.76,52.19 21.34,53.61 v1(21.34,58.09) 21.34,60.99 ; 21.76,44.94 v1(22.86,43.84) v1(22.86,40.64) 20.96,38.74 v1(20.56,38.74) ; 21.76,44.94 v1(19.76,44.94)
  vias: v1(106.9,62.7) v1(107.9,62.7) v1(130.4,60.5)
+3V3_AUX: length 36.3
  Top w0.3: C19.1 72.48,50.17 71.07,48.77 R84.1
  Top w0.4: U21.1 92.46,51.6 92.46,51.6 92.46,50.47
  Top w0.5: R115.1 98.3,48.3 102.38,52.37 103.33,52.37
+3V3A: length 81.6
  Top w0.2: U20.15 7.66,68.59 7.09,69.16 7.09,70.34 6.59,70.84 C52.1 ; R108.2 16.68,82.97 18.23,82.97 R110.2 19,72.1 18.56,71.66 C50.1 18.14,71.59 16.57,70.02 16.54,70.02 16.42,69.9 14.8,69.9 14.34,70.36 U20.4 ; C53.1 U20.21 ; C59.1 6.34,69.09 7.84,67.59 U20.17 ; U20.11 10.84,72.84 C57.1 11.07,73.09 12.34,71.82 U20.8
  Top w0.3: 15.74,69.9 15.53,69.69 v1(15.21,69.69) ; v1(19.04,69.29) 19.09,69.34 R112.1 ; v1(8.54,72.19) 8.54,72.81 C56.1 ; C53.1 5.86,65.56 v1(6.59,64.84) ; L3.2 22.06,64.12 v1(22.09,64.09) ; v1(6.34,68.34) 6.34,68.61 C59.1 ; C52.1 6.34,70.39 v1(6.34,70.09)
  Top w0.4: C57.1 10.56,73.11 C56.1
  Bottom w0.3: v1(19.04,69.29) 18.54,69.79 15.84,69.79 15.6,69.55 15.35,69.55 v1(15.21,69.69) 11.04,69.69 v1(8.54,72.19) 8.44,72.19 v1(6.34,70.09) 6.34,65.09 v1(6.59,64.84) 7.34,64.09 v1(22.09,64.09)
+5V: length 240
  Top w0.2: L2.2 103.98,68.3 103.98,60.3 102.51,58.82 R82.1
  Top w0.3: U17.17 U17.16 ; 141.33,32.82 140.63,33.51 D1.1 138.88,35.28 v1(138.9,35.3) ; L2.2 102.02,70.44 D11.2 ; v1(122.8,35.3) 122.81,35.29 D2.1 124.26,33.51 124.27,33.51 125.7,32.08 RLY2.4 ; 141.37,32.78 141.37,28.22 ; U17.15 U17.14
  Top w0.4: 128.37,80.98 128.4,81.01 C63.1 ; v2(49.74,86.29) 53.38,89.94 D13.1 53.38,89.42 v1(54.75,88.05) 54.8,88 ; C60.1 133.68,53.25 128.53,53.25 127.37,52.09 U22.2 127.3,51.51 v1(127.3,49.8) ; D12.1 40.67,80.4 v2(40.72,80.45) ; 128.07,80.98 126.25,82.8 118.9,82.8 115.6,79.5 109.2,79.5 107.7,78 107.7,76.41 C41.2
  Top w0.5: 108.38,73.4 108.68,73.7 108.68,75.37 C41.2 ; 108.38,73.4 108.7,73.4 ; 108.38,73.4 U17.15 107.88,73.4 107.63,73.14 U17.16 107.63,72.33 ; TP21.1 C35.2
  Top w0.6: C36.2 C33.2 83.03,72.27 v1(83,72.3)
  Top w1: C36.2 91.91,72.27 93.83,70.35 L2.2
  Bottom w0.3: v1(138.9,35.3) v1(122.8,35.3) 122.8,60.3 121.8,61.3 111.9,61.3 104.5,68.7 v1(104.5,72.6)
  Bottom w0.4: v2(40.72,80.45) 43.9,80.45 v2(49.74,86.29) ; v1(83,72.3) 76.7,78.6 64.2,78.6 v1(54.75,88.05) ; 122.8,50.3 123.3,49.8 v1(127.3,49.8)
GND: length 355.9
  Top w0.18: 82.75,97.7 83.95,97.7 ; R57.1 57.08,90.05 v1(57.16,89.97) ; v1(58.66,90.17) 58.68,90.19 C17.2 ; v1(74.78,93.6) 74.57,93.4 74.57,92.2 ; v1(84.05,89.5) 83.85,89.7 82.65,89.7 ; v1(67.06,85.02) 67.06,86.17 ; v1(66.76,89.87) SW2.4 ; U10.58 35.84,49.02 ; v1(61.96,90.07) 61.88,90.15 R60.1
  Top w0.2: v1(3.04,67.39) 4.26,67.39 C47.2 ; U9.5 32.74,87.8 v2(32.21,88.33) ; v1(3.04,63.79) 4.26,63.79 C48.2 ; v2(28.53,87.18) 28.57,87.23 C12.1 ; v1(3.04,72.59) 4.19,72.59 ; v1(12.4,76.9) 10.7,78.6 C54.2 ; v1(79,33.1) 78.89,32.99 R77.2 76.8,33 R118.2 ; v1(74.8,53.9) 73.78,53.9 ; C52.2 4.29,70.79 v1(3.04,70.79) ; 74.41,36.69 74.51,36.79 v1(75.58,36.79) ; v1(3.04,65.59) C53.2 ; D3.1 5.36,23.08 v1(5.28,23) ; U16.8 73.37,29.33 73.31,29.39 73.31,30.77 73.37,30.83 U16.11 ; v1(71.9,45.8) 71.12,45.02 C37.1 ; R87.2 104.28,70.97 105,71.7 106.25,71.7 v1(106.29,71.74) ; R61.1 v1(51.35,95.19) ; D4.1 5.3,27.46 v1(5.24,27.4) 5.34,27.4 5.44,27.5 ; v1(8.84,75.99) C56.2 ; v2(33.35,84.14) 32.95,84.54 U9.8 ; v1(84.15,97.5) 83.95,97.7 82.65,97.7 ; R121.2 77.9,37.9 v1(78.9,36.9) ; v1(93.32,31.06) 93.27,31.11 U4.3 ; v1(92.46,29.41) 91.76,30.11 U4.1 ; SW2.3 v1(64.26,97.87) ; D19.2 15.45,85.55 v1(15.5,85.5) ; v1(3.04,69.09) C59.2 ; 30.94,84.12 v2(30.94,83.12) ; C28.1 77.39,29.79 R75.2 78.5,27.7 v1(79.1,27.1) ; v1(74.78,93.6) 74.6,93.42 C11.1 ; 14.8,71.12 14.8,72.32 v1(14.64,72.49) ; v1(22.95,67.59) 21.73,67.59 ; v1(26.14,69.39) 24.91,69.39 C58.2 ; v1(10.43,76.01) 10.43,74.8 C57.2 ; v2(72.89,33.09) 72.89,32.7 72.78,32.59 U16.14 ; v2(34.84,76.39) R46.1 ; R47.2 v2(29.24,62.89) ; C64.1 v1(3.5,86.3) ; R64.2 v1(41.88,103.19) ; D20.2 v1(10.1,85.4)
  Top w0.25: v2(91.34,24.91) 90.37,24.91 ; v2(87.07,16.59) 87.07,17.64 ; v2(32.16,49.29) 32.95,49.29 ; v2(32.26,48.29) 33.05,48.29 ; v2(47.96,35.29) 47.18,35.29 ; U1.21 93.48,41.1 v2(93.53,41.05) ; U1.3 85.13,41.75 v2(84.78,42.1) 85.08,42.4 U1.2 ; v2(93.67,24.29) 93.67,23.31 ; R16.2 R8.2 91.74,23.31 C2.2 93.55,23.29 C3.2 93.54,23.28 R11.2 ; v2(92.49,20.11) 93.47,20.11 ; C1.2 108.32,23.53 106.82,23.53 ; 8.51,57.74 C45.1 ; v2(102.87,26.06) R1.2 ; 16.66,36.84 v1(17.96,36.84) ; Card1.10 v1(17.86,51.44) ; 33.08,47.49 33.46,47.49 v2(33.76,47.19) ; v2(46.26,45.79) 47.05,45.79 U10.42 ; v2(83.37,29.09) R4.2 ; U1.12 84.97,35.91 84.93,35.95 v2(84.73,35.95) ; U2.25 99.07,20.12 U2.17 ; v2(33.06,34.49) 33.06,35.27 ; v2(107.77,25.23) R13.2 106.79,23.61 R7.2 ; v2(76.24,23.31) C4.2 ; v2(76.22,21.71) R14.2 ; R6.2 82.37,25.21 v2(82.37,26.01) ; v2(47.86,49.39) 47.08,49.39 ; v1(16.16,46.94) Card1.6 ; v2(94.17,16.64) 94.17,17.61 ; U17.18 v1(106.29,71.74) ; U3.17 82.97,20.12 U3.25 ; v2(35.06,48.59) 35.06,49.37 ; v2(34.16,48.59) 34.16,49.37 ; v2(76.22,20.11) R20.2 ; U20.48 18.29,69.59 20.11,71.41 C50.2 ; v2(46.26,46.59) 47.05,46.59 ; v2(34.45,55.29) U12.5 ; v2(98.87,26.03) R5.2 ; 108.79,71.79 108.78,71.8 ; v1(18.96,50.44) C18.1 ; v2(100.07,29.16) R3.2 ; v2(85.97,25.96) R2.2
  Top w0.3: U20.19 v1(10.24,66.59) 10.34,66.59 ; v1(10.64,64.89) 10.34,64.59 U20.23 ; v1(53.68,95.39) 53.68,96.39 C16.1 ; U20.29 12.34,60.69 v1(12.04,60.39) ; R43.1 119.66,36.51 v1(119.67,36.51) ; TP10.1 34.32,66.5 USB1.17 ; R42.1 135.12,36.51 v1(135.12,36.52) ; v1(128.22,36.72) 128.21,36.7 Q1.2 ; v1(95.48,75.8) R81.2 ; U20.9 v1(11.84,68.99) ; U13.3 59.08,98.17 U13.29 ; v1(109.88,71.7) 109.79,71.79 U17.12 109.79,74.2 v1(109.98,74.4) 110.26,74.67 C38.1 110.28,77.22 v1(110.28,78.3) ; v1(74.08,27.19) R73.2 ; v1(21.24,71.59) C50.2 ; v1(112.77,36.71) 112.75,36.7 Q2.2 ; v1(111.68,71.7) 111.64,71.74 U17.8 110.94,71.73 107.63,71.73 ; U20.14 v1(10.34,69.09) ; v1(120.08,70.7) 119.2,70.7 ; U20.16 v1(10.64,68.09)
  Top w0.4: C43.2 119.9,61.6 119.8,61.7 v1(119.8,62.1) ; C45.1 10.46,57.84 X1.4 ; TP18.1 42.2,101.3 USB2.17 44.68,100.99 44.33,100.64 v2(44.33,99.19) USB2.B12 44.33,97.35 USB2.17 ; v1(128.9,98.1) 129.2,97.8 C44.2 ; v1(128.7,89.8) 128.68,89.78 U18.8 ; USB2.17 49.83,97.35 USB2.B1 v2(49.83,99.19) 49.83,100.64 49.48,100.99 USB2.17 ; X1.2 14.46,55.84 C46.2 ; U14.4 124.3,55.09 v1(124.3,54.2) ; C63.2 v1(128.4,86.5) ; v1(130,49.8) 129.91,49.89 U22.1 ; C32.1 v1(91.48,45.4) ; USB1.17 30.37,66.94 USB1.A1 v2(32.14,66.94) USB1.B12 33.97,66.94 USB1.17 ; USB1.17 30.37,72.44 USB1.A12 v2(32.14,72.44) USB1.B1 33.97,72.44 USB1.17 ; 130.91,80.98 v1(130.91,82.89) 130.9,82.9 ; v1(139.34,57.04) 140.53,57.04 D17.3 v1(141.74,57.06) ; v1(120.6,92.08) R98.2 ; U18.2 128.79,93.59 v1(128.8,93.6) ; v1(139.7,92.08) D18.3 v1(141.8,92.08) ; R74.2 v1(76.78,53.8) ; C60.2 v1(137.8,52.2)
  Top w0.5: C9.2 v1(37.43,30) ; U21.2 v1(98.1,51.6) ; 45,30 v1(46.02,30) ; 53.84,30 v1(54.86,30) ; R35.1 v1(26.92,28.45) ; 45.42,27.65 v1(45.42,28.5) ; D10.2 80.98,66.49 80.98,76 ; R34.1 v1(36.73,28.5) ; C10.2 v1(27.52,29.95) ; 54.26,27.65 v1(54.26,28.5)
  Top w0.6: C32.1 92.58,45.42 C19.2 ; 90.48,58.85 R83.2 ; 90.48,58.77 89.31,58.77 88.48,59.6 87.31,59.6 C34.1 87.03,59.63 U15.7 82.41,59.63 U15.9
  Top w0.8: 60.14,13.7 59,13.7 TP27.1 58.5,18.64 59.95,20.09
  Top w1.3: CN11.2 142.28,64.88 141,63.6 127.82,63.6 TP29.1 112.96,63.58 TP24.1 ; CN12.2 142.7,98.14 129.96,98.14 127.7,100.4 124.4,100.4 114.6,90.6 110.5,90.6
  Top w1.5: 78.61,14.8 78.68,14.72 78.68,5.4 76.08,2.8 71.01,2.8 70.6,3.2 70.6,3.3 68.48,5.42
  Top w2: CN10.2 109.58,12.6
  vias: v1(5.2,88.8) v1(5.2,86.3) v1(5.2,82.9) v1(6.1,79.08) v1(7.1,87.2) v1(7.3,84.1) v1(7.54,61.69) v1(8.4,77.5) v1(12.9,88.2) v1(14.2,80.4) v1(14.4,78.5) v1(14.6,74.7) v1(16.5,80.2) v1(16.5,78.2) v1(16.5,76.3) v1(16.8,73.8) v1(16.8,72) v1(18.2,80.4) v1(18.2,76.1) v1(18.3,78.5) v1(19.2,88.3) v1(19.7,74.2) v1(19.8,76.9) v1(19.9,79.5) v1(56.08,26.5) v1(56.08,24.5) v1(56.08,22.5) v1(56.08,20.5) v1(56.08,18.5) v1(56.18,45.7) v1(56.18,43.7) v1(56.18,41.7) v1(56.18,39.7) v1(56.18,37.7) v1(56.18,36.1) v1(56.18,32.1) v1(56.18,30.1) v1(56.18,28.1) v1(58.08,26.5) v1(58.08,24.5) v1(58.08,22.5) v1(58.08,20.5) v1(58.08,18.5) v1(58.18,45.7) v1(58.18,43.7) v1(58.18,41.7) v1(58.18,39.7) v1(58.18,37.7) v1(58.18,36.1) v1(58.18,32.1) v1(58.18,30.1) v1(58.18,28.1) v1(60.08,26.5) v1(60.08,24.5) v1(60.18,45.7) v1(60.18,43.7) v1(60.18,41.7) v1(60.18,39.7) v1(60.18,37.7) v1(60.18,36.1) v1(60.18,32.1) v1(60.18,30.1) v1(60.18,28.1) v1(60.5,18.6) v1(62.08,26.5) v1(62.08,24.5) v1(62.08,22.5) v1(62.08,20.5) v1(62.08,18.5) v1(62.18,45.7) v1(62.18,43.7) v1(62.18,41.7) v1(62.18,39.7) v1(62.18,37.7) v1(62.18,36.1) v1(62.18,34.1) v1(62.18,32.1) v1(62.18,30.1) v1(62.18,28.1) v1(71.18,30.99) v1(71.18,30.09) v1(71.18,29.2) v1(71.98,62.7) v1(72.08,30.99) v1(72.08,30.09) v1(72.08,29.2) v1(72.98,30.99) v1(72.98,30.09) v1(72.98,29.2) v1(73.68,62.7) v1(75.18,14.3) v1(75.18,12.3) v1(75.28,62.7) v1(75.28,15.9) v1(76.88,62.7) v1(76.88,15.9) v1(76.88,14.3) v1(76.88,12.3) v1(78.58,14.3) v1(78.58,12.3) v1(78.68,15.9) v1(79.58,70) v1(80.58,14.3) v1(80.58,12.3) v1(80.68,15.9) v1(81.18,59.9) v1(81.18,59) v1(81.18,58) v1(81.88,62.7) v1(82.38,68.6) v1(82.48,59.9) v1(82.48,59) v1(82.48,58) v1(88.77,56.25) v1(92.38,55.8) v1(97.53,56.5) v1(107.08,15.7) v1(107.08,14.1) v1(107.08,12.1) v1(108.68,72.4) v1(108.68,71.7) v1(108.68,71.1) v1(108.88,15.7) v1(108.88,14.1) v1(108.88,12.1) v1(109.28,72.4) v1(109.29,71.74) v1(109.28,71.1) v1(109.88,72.4) v1(109.88,71.1) v1(110.78,14.1) v1(110.78,12.1) v1(110.88,15.7) v2(35.77,53.66) v2(35.77,44.89) v2(35.9,56.32) v2(35.9,47.31) v2(36.66,57.47) v2(36.78,52.51) v2(36.78,51.24) v2(36.91,66.99) v2(36.91,65.09) v2(36.91,63.18) v2(36.91,61.02) v2(36.91,58.99) v2(38.4,45.7) v2(38.44,44) v2(38.44,42.35) v2(38.44,40.7) v2(38.69,56.96) v2(38.69,55.56) v2(38.69,54.16) v2(38.69,52.51) v2(38.69,51.24) v2(38.82,66.99) v2(38.82,65.09) v2(38.82,63.18) v2(38.82,61.02) v2(38.82,58.99) v2(39.9,47.1) v2(40,45.8) v2(40.09,44) v2(40.09,42.35) v2(40.09,40.7) v2(41.74,44) v2(41.74,42.35) v2(41.74,40.7) v2(58.38,98.99) v2(58.38,96.39) v2(60.88,98.99) v2(60.88,96.39) v2(82.07,20.51) v2(82.07,19.91) v2(82.07,19.31) v2(82.07,18.71) v2(82.77,20.51) v2(82.77,19.91) v2(82.77,19.31) v2(82.77,18.71) v2(83.47,20.51) v2(83.47,19.91) v2(83.47,19.31) v2(83.47,18.71) v2(84.17,20.51) v2(84.17,19.91) v2(84.17,19.31) v2(84.17,18.71) v2(84.87,20.51) v2(84.87,19.91) v2(84.87,19.31) v2(84.87,18.71) v2(98.17,20.51) v2(98.17,19.91) v2(98.17,19.31) v2(98.17,18.71) v2(98.87,20.51) v2(98.87,19.91) v2(98.87,19.31) v2(98.87,18.71) v2(99.57,20.51) v2(99.57,19.91) v2(99.57,19.31) v2(99.57,18.71) v2(100.27,20.51) v2(100.27,19.91) v2(100.27,19.31) v2(100.27,18.71) v2(100.97,20.51) v2(100.97,19.91) v2(100.97,19.31) v2(100.97,18.71)
